# KiCad board Wrap030-Multiuser.kicad_pcb (continued)
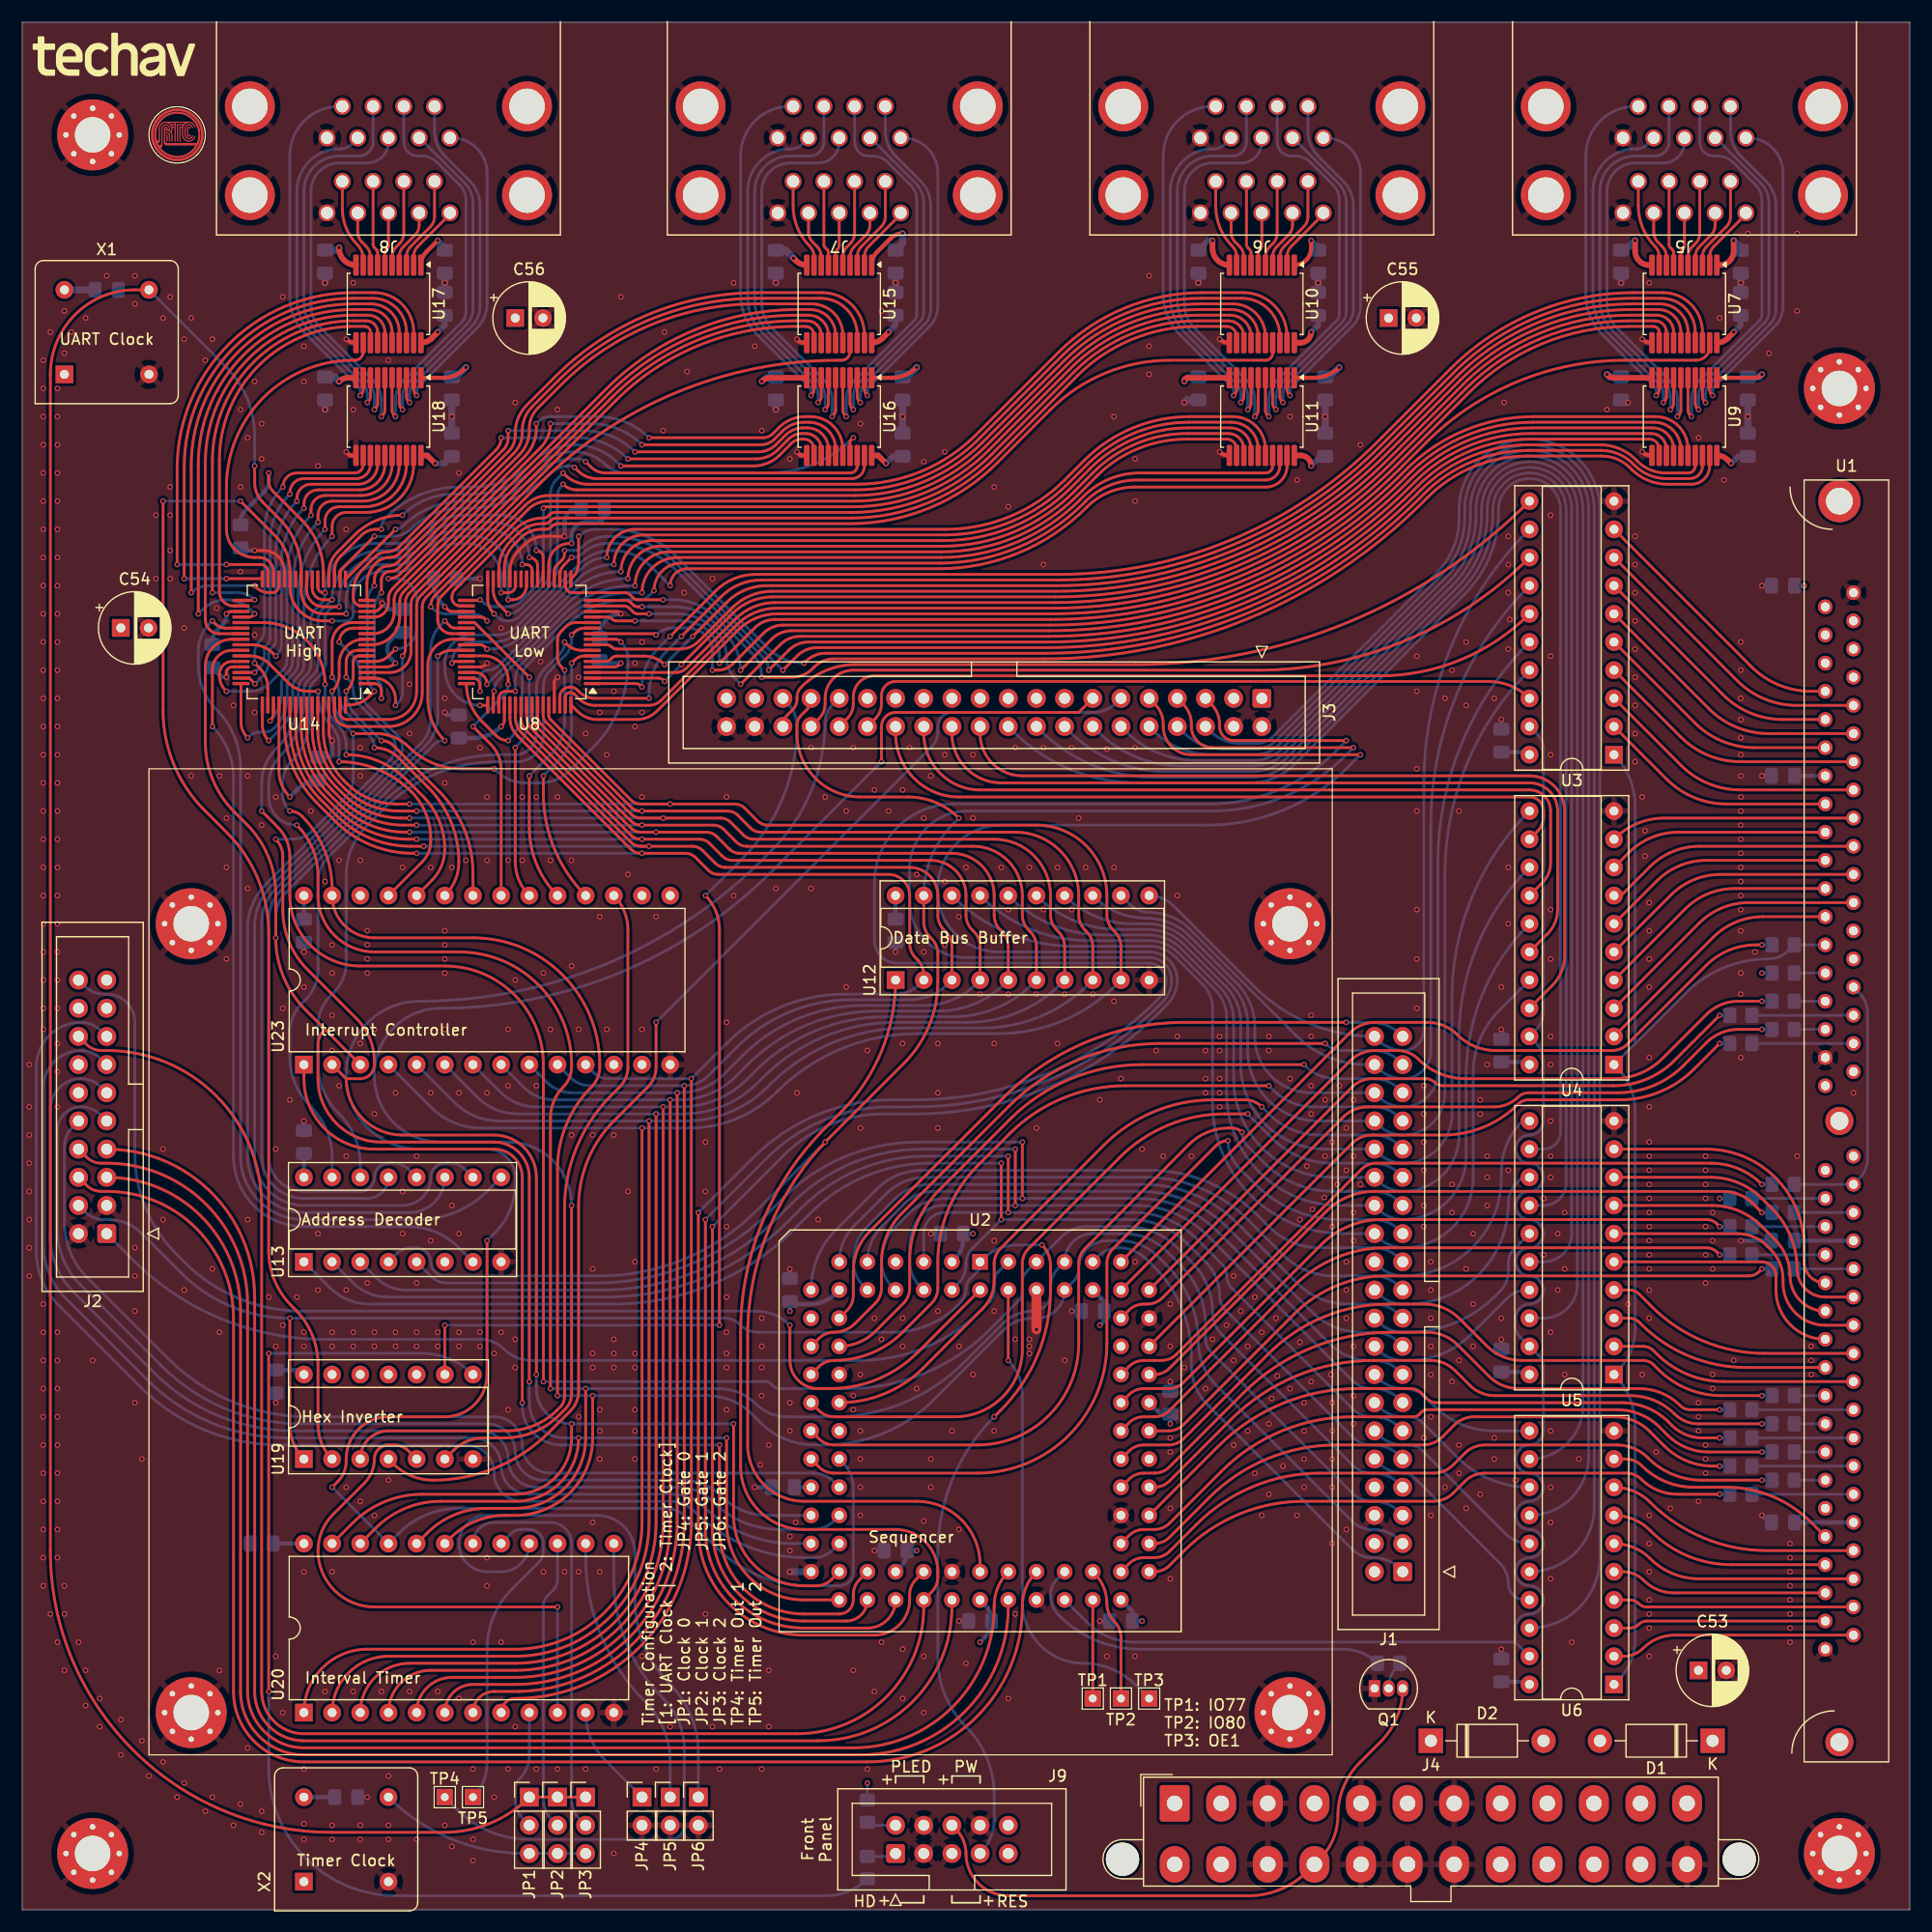
[diagram p0: board, top side]
## Routing (per net, layer and track width the routed paths; a pad name or vN(x,y) marks a point on that pad's centre or on a via; arc(x,y) is an arc through that point) (continued)
/UART0-TXD: length 110
  Top w0.254: U8.8 52.69,114.05 arc(52.93,114) 53.14,113.86 53.15,113.85 arc(53.36,113.71) 53.6,113.67 59.32,113.67 arc(60.22,113.84) 60.99,114.36 64.01,117.38 arc(65.66,118.49) 67.61,118.87 93.15,118.87 arc(109.29,122.08) 122.97,131.22 129.62,137.87 arc(136.71,142.61) 145.07,144.27 147.5,144.27 arc(148.94,143.68) 149.54,142.24 U7.15
/UART1-CTS: length 108.7
  Top w0.254: U9.14 148.88,131.7 arc(148.33,133.05) 146.98,133.6 136.11,133.6 arc(130.27,132.44) 125.33,129.14 124.9,128.71 arc(110.06,118.8) 92.57,115.32 69.38,115.32 arc(68.41,115.12) 67.58,114.57 v1(64.77,111.76) ; U8.16 54.41,118.05 arc(54.65,118) 54.86,117.86 55.06,117.66 arc(55.27,117.52) 55.51,117.48 v1(55.88,117.48)
  Bottom w0.254: v1(55.88,117.48) 58.84,117.48 arc(60.8,117.08) 62.46,115.97 63.42,115.01 arc(64.42,113.52) v1(64.77,111.76)
/UART1-DCD: length 115.6
  Top w0.254: v1(66.67,111.13) 69.43,111.13 arc(70.4,111.32) 71.23,111.87 71.39,112.03 arc(72.22,112.58) 73.19,112.78 92.15,112.78 arc(110.62,116.45) 126.28,126.91 126.71,127.34 arc(130.83,130.1) 135.69,131.06 142.42,131.06 arc(143.78,130.79) 144.93,130.02 145.09,129.86 arc(146.58,128.87) 148.32,128.52 150.48,128.52 arc(151.65,129.01) 152.13,130.18 U9.19 ; U8.18 48.97,119.38 arc(49.16,118.93) 49.61,118.75 54.35,118.75 arc(54.59,118.7) 54.8,118.56 55.06,118.3 arc(55.27,118.16) 55.51,118.11 v1(57.78,118.11)
  Bottom w0.254: v1(57.78,118.11) 58.72,118.11 arc(60.79,117.7) 62.55,116.52 65.78,113.29 arc(66.44,112.3) v1(66.67,111.13)
/UART1-DSR: length 117.5
  Top w0.254: v1(50.17,123.83) 50.17,121.46 arc(50.02,120.73) 49.61,120.11 U8.17 ; U9.18 151.49,130.18 arc(151.15,129.37) 150.34,129.03 148.24,129.03 arc(146.69,129.34) 145.37,130.22 145.21,130.38 arc(143.89,131.26) 142.33,131.57 135.77,131.57 arc(130.72,130.57) 126.43,127.7 126,127.27 arc(110.51,116.92) 92.23,113.28 72.43,113.28 arc(71.45,113.09) 70.63,112.54 v1(70.48,112.4)
  Bottom w0.254: v1(70.48,112.4) arc(68.73,112.75) 67.23,113.74 58.89,122.08 arc(56.26,123.84) 53.16,124.46 51.7,124.46 arc(50.87,124.29) v1(50.17,123.83)
/UART1-DTR: length 108.7
  Top w0.254: v1(64.77,110.49) 68.34,114.06 arc(69.17,114.61) 70.14,114.81 92.48,114.81 arc(110.18,118.33) 125.17,128.35 125.61,128.78 arc(130.39,131.97) 136.02,133.1 146.84,133.1 arc(147.83,132.69) 148.24,131.7 U9.13 ; v1(56.52,116.84) 55.51,116.84 arc(55.27,116.89) 55.06,117.03 54.72,117.36 arc(54.51,117.5) 54.27,117.55 U8.15
  Bottom w0.254: v1(64.77,110.49) 64.37,110.89 arc(63.73,111.85) 63.5,112.98 arc(63.26,114.2) 62.57,115.23 62.28,115.52 arc(60.82,116.5) 59.09,116.84 v1(56.52,116.84)
/UART1-INT: length 29
  Top w0.254: U8.12 49.9,116.05 arc(49.42,115.95) 49,115.68 48.63,115.31 arc(48.36,114.89) 48.26,114.41 48.26,112.92 arc(48.36,112.44) 48.63,112.02 v1(48.89,111.76) ; v1(45.72,102.24) 45.72,97.57 arc(46.38,94.25) U23.19
  Bottom w0.254: v1(45.72,102.24) 47.78,104.29 arc(48.6,105.53) 48.89,106.99 v1(48.89,111.76)
/UART1-RI: length 112.4
  Top w0.254: U9.12 147.58,131.7 arc(147.32,132.33) 146.7,132.59 135.94,132.59 arc(130.5,131.51) 125.88,128.42 125.45,127.99 arc(110.29,117.86) 92.4,114.3 70.9,114.3 arc(69.93,114.11) 69.11,113.56 v1(67.31,111.76) ; v1(49.53,121.92) 48.84,121.23 arc(48.57,120.82) 48.47,120.33 U8.19
  Bottom w0.254: v1(49.53,121.92) 49.74,121.92 arc(50.13,122) 50.46,122.22 50.51,122.26 arc(51.54,122.95) 52.75,123.19 53.16,123.19 arc(56.26,122.57) 58.89,120.82 66.86,112.84 arc(67.19,112.35) v1(67.31,111.76)
/UART1-RTS: length 110
  Top w0.254: U9.16 150.19,131.7 arc(149.33,133.76) 147.26,134.62 136.27,134.62 arc(130.05,133.38) 124.78,129.86 124.35,129.43 arc(109.84,119.73) 92.73,116.33 67.85,116.33 arc(66.88,116.14) 66.06,115.59 v1(62.87,112.4) ; U8.13 52.78,116.55 arc(52.98,116.51) 53.14,116.4 53.19,116.35 arc(53.36,116.24) 53.55,116.21 v1(55.25,116.21)
  Bottom w0.254: v1(62.87,112.4) 62.87,113.07 arc(62.64,114.21) 61.99,115.17 arc(60.85,115.94) 59.5,116.21 v1(55.25,116.21)
/UART1-RXD: length 117.5
  Top w0.254: v1(48.89,122.56) 48.89,122.24 arc(48.84,121.94) 48.67,121.7 48.19,121.22 arc(48.03,120.97) 47.97,120.68 U8.20 ; U9.17 150.83,130.18 arc(150.65,129.73) 150.2,129.54 148.16,129.54 arc(146.8,129.81) 145.64,130.58 145.48,130.74 arc(144,131.73) 142.25,132.08 135.86,132.08 arc(130.61,131.04) 126.16,128.06 125.72,127.63 arc(110.4,117.39) 92.32,113.79 71.66,113.79 arc(70.69,113.6) 69.87,113.05 v1(68.58,111.76)
  Bottom w0.254: v1(68.58,111.76) 58.87,121.47 arc(56.26,123.21) 53.18,123.83 52.81,123.83 arc(51.54,123.57) 50.46,122.85 arc(50.13,122.63) 49.74,122.56 v1(48.89,122.56)
/UART1-TXD: length 109.6
  Top w0.254: U9.15 149.54,131.7 arc(148.83,133.41) 147.12,134.11 136.19,134.11 arc(130.16,132.91) 125.05,129.5 124.62,129.07 arc(109.95,119.27) 92.65,115.82 68.62,115.82 arc(67.64,115.63) 66.82,115.08 64.06,112.32 arc(63.44,111.91) 62.71,111.76 v1(62.23,111.76) ; U8.10 57.03,115.05 v1(57.15,114.94)
  Bottom w0.254: v1(62.23,111.76) 62.23,113.51 arc(62.09,114.24) 61.67,114.86 arc(60.88,115.38) 59.95,115.57 58.68,115.57 arc(57.85,115.4) v1(57.15,114.94)
/UART2-CTS: length 85.6
  Top w0.254: v1(41.28,118.11) 41.21,118.05 U8.33 ; v1(46.99,126.37) 47.12,126.49 74.89,126.49 arc(81.5,127.81) 87.1,131.55 94.55,139 arc(99.83,142.53) 106.05,143.76 108.88,143.76 arc(110.23,143.21) 110.79,141.86 U10.14
  Bottom w0.254: v1(46.99,126.37) 46.99,120.8 arc(46.84,120.08) 46.43,119.46 45.01,118.03 arc(44.39,117.62) 43.66,117.48 42.7,117.48 arc(41.97,117.62) 41.35,118.03 v1(41.28,118.11)
/UART2-DCD: length 92.6
  Top w0.254: U8.31 42.47,118.97 arc(42.62,118.25) 43.03,117.63 v1(43.81,116.84) ; v1(48.77,129.54) 48.93,129.38 arc(49.88,128.75) 50.99,128.52 75.22,128.52 arc(81.05,129.68) 86,132.99 93.45,140.44 arc(99.38,144.4) 106.38,145.8 110.1,145.8 arc(112.88,144.64) 114.04,141.86 U10.19
  Bottom w0.254: v1(48.77,129.54) 48.18,128.95 arc(47.77,128.34) 47.62,127.61 47.62,120.95 arc(47.45,120.09) 46.97,119.36 44.9,117.29 arc(44.4,116.96) v1(43.81,116.84)
/UART2-DSR: length 92.3
  Top w0.254: U10.18 113.39,141.86 arc(112.38,144.28) 109.96,145.29 106.3,145.29 arc(99.49,143.93) 93.73,140.08 86.27,132.63 arc(81.16,129.21) 75.14,128.02 49.99,128.02 arc(49.33,128.15) v1(48.77,128.52) ; v1(42.55,116.84) 42.53,116.86 arc(42.12,117.48) 41.97,118.2 U8.32
  Bottom w0.254: v1(42.55,116.84) 42.81,116.58 arc(43.22,116.3) 43.71,116.21 43.92,116.21 arc(44.41,116.3) 44.82,116.58 47.33,119.09 arc(48.02,120.12) 48.26,121.33 48.26,127.49 arc(48.36,127.98) 48.63,128.39 v1(48.77,128.52)
/UART2-DTR: length 83.4
  Top w0.254: U8.34 39.5,117.55 arc(38.96,117.77) 38.73,118.31 arc(38.81,118.71) 39.04,119.05 44.42,124.43 arc(45.58,125.21) 46.94,125.48 46.98,125.48 arc(47.22,125.52) 47.43,125.66 47.57,125.8 arc(47.77,125.94) 48.02,125.98 74.8,125.98 arc(81.61,127.34) 87.38,131.19 94.83,138.64 arc(99.94,142.06) 105.96,143.26 108.74,143.26 arc(109.73,142.85) 110.14,141.86 U10.13
/UART2-INT: length 28.1
  Top w0.254: v1(44.45,104.78) 44.45,94.51 arc(44.78,92.85) U23.20 ; v1(45.72,111.13) 40.8,116.05 U8.37
  Bottom w0.254: v1(44.45,104.78) 44.6,104.93 arc(45.43,106.17) 45.72,107.62 v1(45.72,111.13)
/UART2-RI: length 76.6
  Top w0.254: U8.30 42.97,120.87 arc(43.24,122.23) 44.01,123.39 44.7,124.08 arc(45.69,124.74) 46.86,124.97 47.11,124.97 arc(47.35,125.02) 47.56,125.15 47.69,125.29 arc(47.9,125.43) 48.14,125.48 74.72,125.48 arc(81.72,126.87) 87.65,130.83 95.1,138.28 arc(100.05,141.59) 105.88,142.75 108.6,142.75 arc(109.22,142.49) 109.48,141.86 U10.12
/UART2-RTS: length 95
  Top w0.254: U8.36 41.3,116.55 arc(41.54,116.5) 41.75,116.36 v1(41.91,116.21) ; v1(36.83,117.48) 36.83,117.58 arc(36.93,118.07) 37.2,118.48 45.34,126.62 arc(46.32,127.28) 47.49,127.51 75.05,127.51 arc(81.28,128.75) 86.55,132.27 94,139.72 arc(99.6,143.47) 106.21,144.78 109.16,144.78 arc(111.23,143.92) 112.08,141.86 U10.16
  Bottom w0.254: v1(41.91,116.21) 41.83,116.28 arc(41.21,116.69) 40.49,116.84 38.25,116.84 arc(37.53,116.99) 36.91,117.4 v1(36.83,117.48)
/UART2-RXD: length 78.3
  Top w0.254: U10.17 112.73,140.34 arc(112.55,139.89) 112.1,139.7 103.47,139.7 arc(97.64,138.54) 92.69,135.24 87.93,130.47 arc(81.83,126.4) 74.64,124.97 48.27,124.97 arc(48.03,124.92) 47.82,124.78 47.68,124.65 arc(47.48,124.51) 47.23,124.46 46.77,124.46 arc(45.8,124.27) 44.98,123.72 44.36,123.1 arc(43.7,122.11) 43.47,120.95 U8.29
/UART2-TXD: length 90.3
  Top w0.254: U8.39 38.73,115.05 arc(37.84,115.42) 37.47,116.32 37.47,117.58 arc(37.56,118.07) 37.84,118.48 45.61,126.26 arc(46.44,126.81) 47.41,127 74.97,127 arc(81.39,128.28) 86.83,131.91 94.28,139.36 arc(99.72,143) 106.13,144.27 109.02,144.27 arc(110.73,143.57) 111.44,141.86 U10.15
/UART3-CTS: length 82.9
  Top w0.254: v1(41.28,109.86) 41.28,110.42 arc(41.09,110.86) 40.64,111.05 U8.47 ; U11.14 110.79,131.7 arc(110.23,133.05) 108.88,133.6 105.1,133.6 arc(100.34,132.66) 96.3,129.96 94.55,128.21 arc(89.28,124.68) 83.06,123.44 56.77,123.44 arc(54.79,122.63) v1(53.98,120.65)
  Bottom w0.254: v1(41.28,109.86) 41.28,111.03 arc(41.49,111.55) 42,111.76 arc(42.5,111.86) 42.93,112.15 49.64,118.85 arc(51.63,120.18) v1(53.98,120.65)
/UART3-DCD: length 92.5
  Top w0.254: U8.49 41.93,108.59 v1(41.28,108.59) ; U11.19 114.04,130.18 arc(113.48,128.83) 112.13,128.27 100.32,128.27 arc(97.98,127.81) 96,126.48 95.93,126.41 arc(89.83,122.33) 82.64,120.9 59.94,120.9 arc(58.87,120.46) v1(58.42,119.38)
  Bottom w0.254: v1(58.42,119.38) 56.69,121.11 arc(55.09,122.18) 53.2,122.56 arc(51.57,122.23) 50.19,121.31 44.56,115.68 arc(43.73,115.13) 42.76,114.94 40.64,114.94 arc(38.84,114.19) 38.1,112.4 38.1,111.91 arc(38.36,110.6) 39.11,109.48 arc(40.1,108.82) v1(41.28,108.59)
/UART3-DSR: length 89.5
  Top w0.254: U11.18 113.39,130.18 arc(113.01,129.28) 112.11,128.91 100.53,128.91 arc(98,128.4) 95.86,126.97 95.65,126.77 arc(89.72,122.8) 82.72,121.41 59.44,121.41 arc(57.68,120.69) v1(56.96,118.94) ; U8.48 arc(40.41,108.7) 41.46,107.13 42.73,105.86 arc(43.23,105.53) v1(43.81,105.41)
  Bottom w0.254: v1(56.96,118.94) 56.51,118.48 arc(56.09,118.21) 55.61,118.11 54.59,118.11 arc(51.68,117.53) 49.2,115.88 45.46,112.13 arc(45.18,111.72) 45.09,111.23 45.09,108.26 arc(44.79,106.8) 43.97,105.56 v1(43.81,105.41)
/UART3-DTR: length 80.3
  Top w0.254: U8.46 40.85,111.55 arc(41.6,111.24) v1(41.91,110.49) ; U11.13 110.14,131.7 arc(109.73,132.69) 108.74,133.1 105.02,133.1 arc(100.45,132.19) 96.58,129.6 94.83,127.85 arc(89.39,124.21) 82.97,122.94 57.53,122.94 arc(55.47,122.08) v1(54.61,120.02)
  Bottom w0.254: v1(54.61,120.02) 54.59,120.02 arc(51.68,119.43) 49.2,117.78 v1(41.91,110.49)
/UART3-INT: length 26.6
  Top w0.254: U23.21 43.18,102.81 arc(42.94,104.04) 42.24,105.08 v1(40.64,106.68) ; v1(43.81,110.49) 43.81,110.87 arc(43.18,112.41) 41.63,113.05 U8.43
  Bottom w0.254: v1(43.81,110.49) 43.81,110.38 arc(43.72,109.9) 43.44,109.48 v1(40.64,106.68)
/UART3-RI: length 77.9
  Top w0.254: U11.12 109.48,131.7 arc(109.22,132.33) 108.6,132.59 104.94,132.59 arc(100.56,131.72) 96.86,129.24 95.1,127.49 arc(89.5,123.74) 82.89,122.43 58.29,122.43 arc(56.14,121.54) v1(55.25,119.38) ; v1(42.55,109.86) 42.47,109.78 U8.50
  Bottom w0.254: v1(55.25,119.38) 55.01,119.38 arc(51.71,118.72) 48.91,116.85 42.99,110.94 arc(42.66,110.44) v1(42.55,109.86)
/UART3-RTS: length 85.3
  Top w0.254: U8.44 39.11,112.55 arc(38.91,112.51) v1(38.73,112.4) ; U11.16 112.08,131.7 arc(111.23,133.76) 109.16,134.62 105.27,134.62 arc(100.12,133.6) 95.75,130.68 94,128.92 arc(89.05,125.62) 83.22,124.46 55.24,124.46 arc(53.45,123.72) v1(52.7,121.92)
  Bottom w0.254: v1(52.7,121.92) arc(51.53,121.69) 50.54,121.02 44.74,115.23 arc(43.71,114.54) 42.5,114.3 40.64,114.3 arc(39.29,113.74) v1(38.73,112.4)
/UART3-RXD: length 80.3
  Top w0.254: v1(44.45,109.86) 43.61,109.86 arc(43.16,109.67) 42.97,109.22 U8.51 ; U11.17 112.73,130.18 arc(112.55,129.73) 112.1,129.54 100.74,129.54 arc(98.01,129) 95.71,127.46 95.38,127.13 arc(89.61,123.27) 82.81,121.92 59.06,121.92 arc(56.81,120.99) v1(55.88,118.75)
  Bottom w0.254: v1(55.88,118.75) 54.8,118.75 arc(51.69,118.13) 49.05,116.36 45.06,112.37 arc(44.61,111.69) 44.45,110.9 v1(44.45,109.86)
/UART3-TXD: length 80.8
  Top w0.254: U11.15 111.44,131.7 arc(110.73,133.41) 109.02,134.11 105.19,134.11 arc(100.23,133.13) 96.03,130.32 94.27,128.56 arc(89.17,125.15) 83.14,123.95 56.01,123.95 arc(54.12,123.17) v1(53.34,121.29) ; U8.41 41.26,114.05 arc(41.5,114) 41.71,113.86 v1(41.91,113.67)
  Bottom w0.254: v1(41.91,113.67) 42.24,113.67 arc(43.69,113.96) 44.93,114.78 50.09,119.94 arc(51.58,120.93) v1(53.34,121.29)
/UART4-CTS: length 63.6
  Top w0.254: v1(33.66,108.59) 33.66,109.15 arc(33.1,110.49) 31.75,111.05 U14.2 ; U15.14 72.69,141.99 arc(72.16,143.24) 70.91,143.76 69.83,143.76 arc(60.7,141.95) 52.95,136.77 34.92,118.74 arc(34.64,118.32) 34.54,117.84 34.54,113.64 arc(34.48,113.31) v1(34.29,113.03)
  Bottom w0.254: v1(34.29,113.03) 34.29,109.75 arc(34.19,109.26) 33.92,108.85 v1(33.66,108.59)
/UART4-DCD: length 71.4
  Top w0.254: U15.19 75.94,141.99 arc(74.82,144.68) 72.12,145.8 66.36,145.8 arc(56.44,143.82) 48.04,138.21 45.49,135.66 arc(44.72,134.51) 44.45,133.15 44.45,132.92 arc(44.3,132.14) 43.85,131.48 33.89,121.52 arc(33.49,121.25) 33.02,121.16 arc(32.12,120.79) 31.75,119.89 v1(31.75,119.38) ; v1(31.75,109.86) 31.26,109.37 arc(30.44,108.82) 29.47,108.63 U14.64
  Bottom w0.254: v1(31.75,109.86) arc(31.28,110.56) 31.12,111.39 31.12,117.85 arc(31.28,118.68) v1(31.75,119.38)
/UART4-DSR: length 69.6
  Top w0.254: U15.18 75.28,141.99 arc(74.32,144.32) 71.98,145.29 66.27,145.29 arc(56.55,143.35) 48.31,137.85 45.98,135.51 arc(45.32,134.52) 45.09,133.36 45.09,133.13 arc(44.89,132.16) 44.34,131.34 34.01,121.01 arc(33.62,120.74) 33.15,120.65 arc(32.61,120.43) 32.39,119.89 v1(32.39,118.75) ; v1(32.39,109.22) 32.39,109.92 arc(32.2,110.36) 31.75,110.55 U14.1
  Bottom w0.254: v1(32.39,109.22) 32.39,110.23 arc(32.34,110.47) 32.2,110.68 31.94,110.94 arc(31.8,111.15) 31.75,111.39 31.75,117.21 arc(31.92,118.04) v1(32.39,118.75)
/UART4-DTR: length 57.6
  Top w0.254: U15.13 72.03,141.99 arc(71.66,142.88) 70.77,143.26 69.75,143.26 arc(60.81,141.48) 53.23,136.41 35.42,118.61 arc(35.15,118.2) 35.05,117.71 35.05,113.46 arc(34.49,112.11) 33.15,111.55 U14.3
/UART4-INT: length 27.3
  Top w0.254: U14.6 30.35,113.05 arc(29.99,112.9) 29.84,112.54 29.84,111.28 arc(29.7,110.55) 29.29,109.93 v1(29.21,109.86) ; U23.22 40.64,93.44 arc(39.84,97.46) 37.56,100.87 33.47,104.96 arc(32.97,105.29) v1(32.39,105.41)
  Bottom w0.254: v1(32.39,105.41) 30.11,107.69 arc(29.44,108.68) v1(29.21,109.86)
/UART4-RI: length 63.8
  Top w0.254: U15.12 71.39,141.99 arc(71.16,142.52) 70.62,142.75 69.67,142.75 arc(60.92,141.01) 53.5,136.05 35.93,118.48 arc(35.66,118.07) 35.56,117.58 35.56,109.86 arc(34.82,108.06) 33.02,107.32 29.28,107.32 arc(28.84,107.5) 28.65,107.95 U14.63
/UART4-RTS: length 65.8
  Top w0.254: U14.5 31.85,112.55 arc(32.49,112.68) 33.03,113.04 v1(33.66,113.67) ; U15.16 73.98,141.99 arc(73.17,143.96) 71.19,144.78 66.19,144.78 arc(56.66,142.89) 48.59,137.49 46.46,135.36 arc(45.91,134.54) 45.72,133.57 45.72,133.34 arc(45.49,132.18) 44.83,131.19 34.1,120.46 arc(33.61,120.13) v1(33.02,120.02)
  Bottom w0.254: v1(33.02,120.02) 33.66,120.02 arc(35,119.46) 35.56,118.11 35.56,115.57 arc(35,114.22) v1(33.66,113.67)
/UART4-RXD: length 66.4
  Top w0.254: U14.62 28.15,107.95 arc(28.52,107.05) 29.42,106.68 33.02,106.68 arc(35.18,107.57) 36.07,109.73 36.07,117.46 arc(36.16,117.94) 36.44,118.35 46.63,128.54 arc(58.99,136.8) 73.57,139.7 73.87,139.7 arc(74.41,139.92) 74.64,140.46 74.64,141.28
/UART4-TXD: length 57.2
  Top w0.254: U14.8 31.5,114.05 arc(33.29,114.79) 34.04,116.59 34.04,117.96 arc(34.13,118.45) 34.41,118.86 52.68,137.13 arc(60.59,142.42) 69.92,144.27 71.05,144.27 arc(72.67,143.6) 73.34,141.99 73.34,141.28
/UART5-CTS: length 52.8
  Top w0.254: U14.16 31.08,119.5 arc(31.28,120.53) 31.86,121.39 arc(32.44,121.78) 33.13,121.92 arc(33.61,122.02) 34.03,122.29 43.37,131.63 arc(43.7,132.13) 43.81,132.71 v1(43.81,133.35) ; U16.14 72.69,131.7 arc(72.13,133.05) 70.78,133.6 70.42,133.6 arc(69.54,133.43) 68.8,132.93 67.98,132.11 arc(67.24,131.62) 66.36,131.44 v1(55.25,131.44)
  Bottom w0.254: v1(43.81,133.35) 50.65,133.35 arc(53.13,132.85) v1(55.25,131.44)
/UART5-DCD: length 53
  Top w0.254: U16.19 75.94,130.18 arc(75.6,129.37) 74.79,129.03 51.8,129.03 arc(50.88,129.22) 50.09,129.74 v1(49.78,130.05) ; v1(31.75,123.83) 28.8,120.87 arc(28.69,120.71) 28.65,120.51 U14.18
  Bottom w0.254: v1(49.78,130.05) 49.66,130.18 49.38,130.18 arc(48.35,129.97) 47.46,129.38 arc(44.13,127.15) 40.19,126.37 39.5,126.37 arc(37.15,125.9) 35.16,124.57 arc(34.34,124.02) 33.36,123.83 v1(31.75,123.83)
/UART5-DSR: length 51.4
  Top w0.254: U14.17 29.17,119.98 v1(33.66,124.46) ; U16.18 75.28,130.18 arc(75.1,129.73) 74.65,129.54 52.61,129.54 arc(51.88,129.69) 51.26,130.1 v1(50.8,130.56)
  Bottom w0.254: v1(33.66,124.46) arc(34.01,124.53) 34.31,124.73 arc(36.82,126.41) 39.79,127 40.74,127 arc(43.7,127.59) 46.21,129.27 46.42,129.47 arc(47.9,130.46) 49.64,130.81 50.19,130.81 arc(50.52,130.74) v1(50.8,130.56)
/UART5-DTR: length 53.5
  Top w0.254: U16.13 72.03,131.7 arc(71.63,132.69) 70.64,133.1 70.33,133.1 arc(69.65,132.96) 69.08,132.58 68.13,131.63 arc(67.22,131.02) 66.15,130.81 v1(54.61,130.81) ; U14.15 30.61,117.55 arc(30.07,117.77) 29.84,118.31 29.84,118.71 arc(30.08,119.92) 30.77,120.94 31.81,121.98 arc(32.31,122.31) 32.9,122.43 arc(33.48,122.54) 33.97,122.87 42.73,131.63 arc(43.06,132.13) v1(43.18,132.72)
  Bottom w0.254: v1(43.18,132.72) 50.01,132.72 arc(52.5,132.22) v1(54.61,130.81)
/UART5-INT: length 32
  Top w0.254: U23.23 38.13,91.47 arc(39.05,92.84) 39.37,94.47 arc(38.64,98.12) 36.57,101.22 33.92,103.88 arc(32.92,104.54) v1(31.75,104.78) ; v1(27.94,111.13) 27.94,114.2 arc(28.48,115.51) 29.79,116.05 U14.12
  Bottom w0.254: v1(31.75,104.78) arc(31.63,105.36) 31.3,105.86 29.29,107.87 arc(28.76,108.66) 28.57,109.59 arc(28.41,110.42) v1(27.94,111.13)
/UART5-RI: length 50.8
  Top w0.254: U14.19 28.15,120.71 arc(28.3,121.43) 28.71,122.05 30.56,123.9 arc(31.18,124.31) 31.9,124.46 v1(32.39,124.46) ; U16.12 71.39,131.7 arc(71.12,132.33) 70.5,132.59 70.25,132.59 arc(69.76,132.49) 69.35,132.22 68.28,131.14 arc(67.21,130.43) 65.94,130.18 v1(53.98,130.18)
  Bottom w0.254: v1(53.98,130.18) 53.71,130.44 arc(51.89,131.65) 49.75,132.08 arc(47.79,131.69) 46.12,130.58 arc(43.57,128.87) 40.55,128.27 39.37,128.27 arc(35.85,127.57) 32.86,125.57 32.76,125.47 arc(32.48,125.05) 32.39,124.57 v1(32.39,124.46)
/UART5-RTS: length 55.3
  Top w0.254: v1(46.36,133.99) 46.36,133.55 arc(46.08,132.19) 45.31,131.04 33.39,119.12 arc(33.12,118.7) 33.02,118.22 33.02,117.82 arc(32.65,116.92) 31.75,116.55 U14.13 ; U16.16 73.98,131.7 arc(73.13,133.76) 71.06,134.62 70.58,134.62 arc(69.32,134.37) 68.25,133.65 67.68,133.09 arc(67.27,132.81) 66.78,132.72 v1(56.52,132.72)
  Bottom w0.254: v1(46.36,133.99) 46.62,134.25 arc(47.03,134.52) 47.52,134.62 51.92,134.62 arc(54.4,134.12) v1(56.52,132.72)
/UART5-RXD: length 54.9
  Top w0.254: 74.64,131.12 74.64,132.42 v1(74.93,132.72) ; U14.20 27.65,120.58 arc(27.84,121.55) 28.39,122.37 29.95,123.93 arc(31.94,125.26) v1(34.29,125.73)
  Bottom w0.254: v1(34.29,125.73) arc(36.4,127.14) 38.89,127.64 40.53,127.64 arc(43.57,128.24) 46.13,129.95 arc(47.79,131.06) 49.73,131.44 49.79,131.44 arc(51.31,131.14) 52.6,130.28 arc(53.42,129.73) 54.39,129.54 67.26,129.54 arc(71.41,130.37) v1(74.93,132.72)
/UART5-TXD: length 55
  Top w0.254: U14.10 31.62,115.05 arc(32.97,115.61) 33.53,116.96 33.53,118.09 arc(33.62,118.58) 33.9,118.99 46.73,131.82 arc(47.39,132.81) 47.62,133.98 v1(47.62,133.99) ; 73.34,131.12 73.34,131.7 arc(72.63,133.41) 70.92,134.11 70.5,134.11 arc(69.43,133.9) 68.52,133.29 67.83,132.6 arc(67.25,132.22) 66.57,132.08 v1(55.88,132.08)
  Bottom w0.254: v1(47.62,133.99) 51.28,133.99 arc(53.77,133.49) v1(55.88,132.08)
/UART6-CTS: length 40.7
  Top w0.254: U14.33 20.89,118.05 v1(20.95,118.11) ; v1(17.14,118.75) 17.14,130.56 arc(20.86,139.54) 29.84,143.26 31.03,143.26 arc(31.75,142.96) 32.05,142.24 U17.14
  Bottom w0.254: v1(17.14,118.75) 19.42,118.75 arc(20.25,118.58) v1(20.95,118.11)
/UART6-DCD: length 51.2
  Top w0.254: v1(13.97,121.29) 13.97,129.92 arc(18.62,141.15) 29.84,145.8 31.74,145.8 arc(34.25,144.75) 35.3,142.24 U17.19 ; v1(18.42,121.29) 21.52,121.29 arc(21.96,121.1) 22.15,120.65 U14.31
  Bottom w0.254: v1(18.42,121.29) v1(13.97,121.29)
/UART6-DSR: length 48.5
  Top w0.254: U14.32 21.61,120.02 v1(18.42,120.02) ; U17.18 34.64,142.24 arc(33.75,144.4) 31.6,145.29 29.84,145.29 arc(19.07,140.82) 14.61,130.05 v1(14.61,120.02)
  Bottom w0.254: v1(18.42,120.02) v1(14.61,120.02)
/UART6-DTR: length 36.3
  Top w0.254: U14.34 19.05,117.55 arc(18.15,117.92) 17.78,118.82 17.78,130.68 arc(21.19,139.09) 29.49,142.75 29.5,142.75 30.89,142.75 arc(31.25,142.6) 31.39,142.24 U17.13
/UART6-INT: length 36.1
  Top w0.254: U23.24 36.93,92.81 arc(37.8,94.11) 38.1,95.63 arc(37.59,98.21) 36.12,100.4 34.63,101.89 arc(32.14,103.56) v1(29.21,104.14) ; U14.37 21.75,116.05 arc(25.68,114.42) v1(27.31,110.49)
  Bottom w0.254: v1(27.31,110.49) 27.31,109.59 arc(27.61,108.07) 28.47,106.79 arc(29.02,105.96) 29.21,104.99 v1(29.21,104.14)
/UART6-RI: length 31
  Top w0.254: U17.12 30.75,140.46 arc(30.52,139.92) 29.98,139.7 29.84,139.7 arc(21.76,136.35) 18.42,128.27 18.42,124.46 arc(19.16,122.66) 20.95,121.92 21.38,121.92 arc(22.28,121.55) 22.65,120.65 U14.30
/UART6-RTS: length 48.2
  Top w0.254: U17.16 33.34,142.24 arc(32.75,143.68) 31.31,144.27 29.84,144.27 arc(19.97,140.18) 15.88,130.3 v1(15.88,116.84) ; v1(20.95,116.84) 20.81,116.7 arc(20.65,116.59) 20.45,116.55 U14.36
  Bottom w0.254: v1(15.88,116.84) 16.25,117.22 arc(17.24,117.88) 18.41,118.11 arc(19.59,117.88) 20.59,117.21 v1(20.95,116.84)
/UART6-RXD: length 50.2
  Top w0.254: v1(15.24,118.75) 15.24,130.18 arc(19.52,140.5) 29.84,144.78 31.45,144.78 arc(33.25,144.04) 34,142.24 34,141.28 ; v1(20.95,119.38) 21.14,119.19 arc(21.62,118.87) 22.19,118.76 22.67,118.76 arc(23.02,118.99) 23.15,119.38 U14.29
  Bottom w0.254: v1(20.95,119.38) 16.77,119.38 arc(15.94,119.21) v1(15.24,118.75)
/UART6-TXD: length 43.7
  Top w0.254: 32.7,141.28 32.7,142.24 arc(32.25,143.32) 31.17,143.76 29.84,143.76 arc(20.42,139.86) 16.51,130.43 16.51,116.32 arc(16.88,115.42) 17.78,115.05 U14.39
/UART7-CTS: length 29.2
  Top w0.254: U14.47 20.47,111.05 v1(20.99,110.53) ; U18.14 32.05,130.3 arc(31.52,129.04) 30.27,128.52 26.03,128.52 arc(25.14,128.15) 24.77,127.25 v1(24.77,127)
  Bottom w0.254: v1(20.99,110.53) 21.67,111.2 arc(22.08,111.82) 22.23,112.55 22.23,113.24 arc(22.27,113.49) 22.41,113.69 22.67,113.96 arc(22.81,114.16) 22.86,114.4 22.86,122.4 arc(23.36,124.89) v1(24.77,127)
/UART7-DCD: length 35.8
  Top w0.254: U18.19 35.3,130.3 arc(34.03,127.25) 30.98,125.98 29.21,125.98 arc(28.31,125.61) 27.94,124.71 v1(27.94,123.83) ; U14.49 21.65,106.8 arc(21.8,106.05) v1(22.23,105.41)
  Bottom w0.254: v1(22.23,105.41) 23.25,106.44 arc(24.09,107.69) 24.38,109.17 24.38,110.22 arc(24.48,110.7) 24.76,111.12 25.03,111.39 arc(25.3,111.8) 25.4,112.29 25.4,117.69 arc(26.06,121.01) v1(27.94,123.83)
/UART7-DSR: length 38.7
  Top w0.254: U18.18 34.64,130.3 arc(33.53,127.61) 30.84,126.49 28.58,126.49 arc(27.68,126.12) 27.31,125.22 v1(27.31,124.46) ; U14.48 19.73,107.1 arc(19.88,106.32) v1(20.32,105.66)
  Bottom w0.254: v1(20.32,105.66) 20.46,105.8 arc(20.87,106.08) 21.35,106.17 21.83,106.17 arc(22.31,106.27) 22.72,106.54 arc(23.58,107.82) 23.88,109.33 23.88,110.34 arc(23.97,110.83) 24.25,111.24 24.52,111.52 arc(24.8,111.93) 24.89,112.41 24.89,118.63 arc(25.52,121.79) v1(27.31,124.46)
/UART7-DTR: length 27.9
  Top w0.254: v1(24.13,127.64) 24.13,127.76 arc(24.5,128.66) 25.4,129.03 30.12,129.03 arc(31.02,129.4) 31.39,130.3 U18.13 ; v1(20.95,111.55) U14.46
  Bottom w0.254: v1(20.95,111.55) 21.47,112.07 arc(21.75,112.48) 21.84,112.97 21.84,113.59 arc(21.89,113.84) 22.03,114.04 22.17,114.18 arc(22.3,114.38) 22.35,114.63 22.35,123.34 arc(22.81,125.67) v1(24.13,127.64)
/UART7-INT: length 33.4
  Top w0.254: U23.25 36.09,94.51 arc(36.64,95.33) 36.83,96.3 36.83,96.58 arc(36.37,98.87) 35.08,100.81 arc(32.09,102.8) v1(28.58,103.51) ; U14.43 20.52,113.05 arc(21.49,112.86) 22.31,112.31 24.02,110.6 arc(24.85,110.05) 25.82,109.86 v1(26.67,109.86)
  Bottom w0.254: v1(26.67,109.86) 26.67,109.59 arc(26.97,108.07) 27.83,106.79 arc(28.38,105.96) 28.58,104.99 v1(28.58,103.51)
/UART7-RI: length 29.9
  Top w0.254: U14.50 22.15,110.15 arc(21.96,111.12) 21.41,111.94 v1(20.95,112.4) ; U18.12 30.75,130.3 arc(30.52,129.76) 29.98,129.54 24.77,129.54 arc(23.87,129.17) v1(23.5,128.27)
  Bottom w0.254: v1(20.95,112.4) 20.95,113.3 arc(21.07,113.87) 21.39,114.36 arc(21.73,114.86) 21.84,115.45 21.84,124.28 arc(22.27,126.44) v1(23.5,128.27)
/UART7-RTS: length 35.7
  Top w0.254: v1(18.42,109.86) 18.34,109.93 arc(17.93,110.55) 17.78,111.28 17.78,111.41 arc(18.11,112.22) 18.92,112.55 U14.44 ; U18.16 33.34,130.3 arc(32.53,128.33) 30.55,127.51 27.31,127.51 arc(26.41,127.14) 26.03,126.24 v1(26.03,125.73)